# Altium PCB mppt.PcbDoc (part 3 of 3)
Units mil, origin at the board's own origin, x right, y up, seen from the top; angles counter-clockwise.
Board outline 6145 x 4875 mil, 4 copper layers (Top Layer, Layer 1, Layer 2, Bottom Layer), stack 23.756 mil thick; 257 components, 119 nets, 666 pads, 154 vias.
Unrouted connection lines stored in the file: 1.
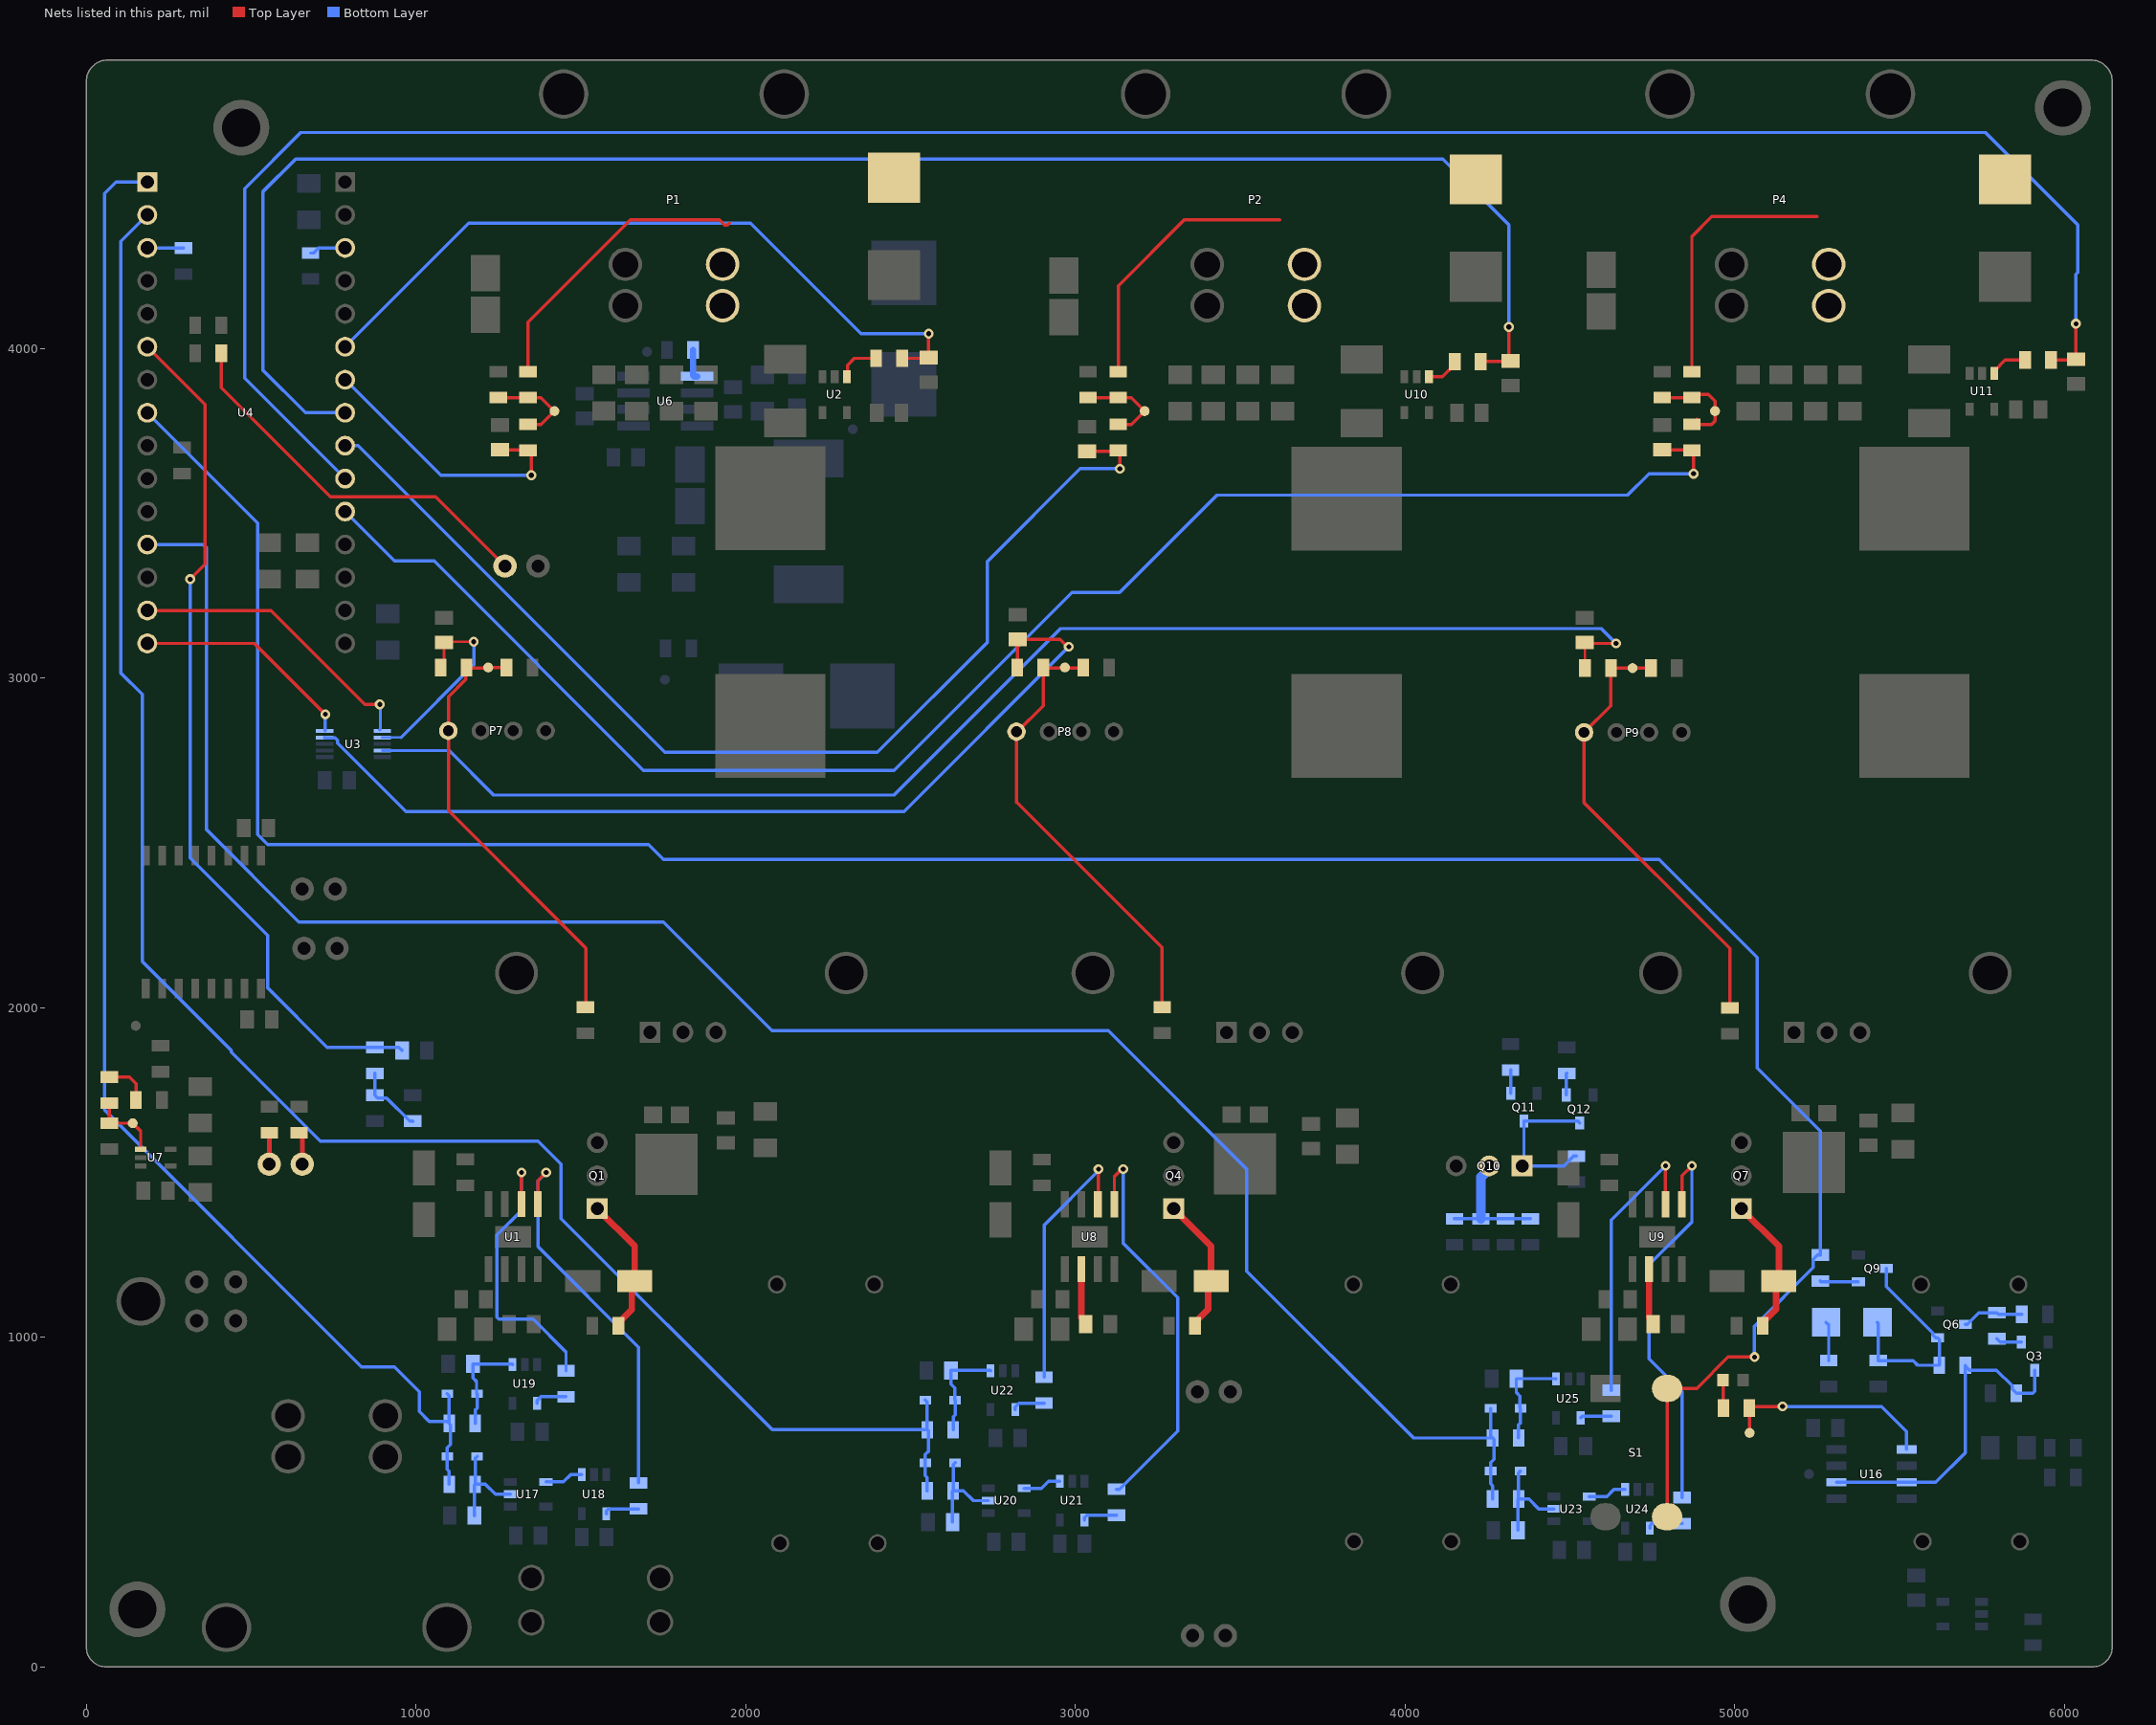
[diagram p5: the nets of this part, all layers, seen from the top]

## Via types
v1: diameter 30, hole 15, Top Layer to Bottom Layer, 154 vias

## Nets (pads, with @x,y where several pads share a name; then routed paths per layer and width w, separated by ;. In a path a pad name is that pad's centre, name@x,y a point inside that pad or via, vN(x,y) a via of type N, cw(c..) or ccw(c..) an arc to the next point about the centre after c; other vN are vias at no path point) (continued)
NetC37_1: C37.1 U8.2 | length 171.8
  Top Layer w20: U8.2@3018.19,1206.57 3018.19,1059.49 3030.79,1046.89 C37.1@3030.79,1040
NetC47_1: C47.1 U9.2 | length 171.8
  Top Layer w20: U9.2@4740,1206.57 4740,1059.49 4752.6,1046.89 C47.1@4752.6,1040
NetD14_1: D14.1 R27.1 | length 118.8
  Bottom Layer w10: D14.1@5277.24,1045 5285,1037.24 R27.1@5285,929.37
NetD14_2: D14.2 Q6.1 Q9.3 R35.1 R47.1 | length 672.7
  Bottom Layer w10: D14.2@5432.76,1045 5435,1042.76 R47.1@5435,929.37 5540.63,929.37 5555,915 R35.1@5620.63,915 5620.63,993.27 Q6.1@5615,998.9 5609.09,998.9 5600.31,1007.68 5600.31,1013.58 5459.65,1154.25 Q9.3@5459.65,1209.45
NetLED1_1: LED1.1 R48.1 | length 85.5
  Top Layer w10: LED1.1@4964.49,870 4965.63,868.86 R48.1@4965.63,785
NetP6_1: P6.1 R14.2 | length 99.8
  Top Layer w15: R14.2@645,1620.63 655,1610.63 P6.1@655,1525
NetP6_2: P6.2 R15.2 | length 95.6
  Top Layer w15: P6.2@555,1525 R15.2@555,1620.63
NetP7_1: P7.1 R38.1 R39.1 TH1.2 TP18.1 | length 1347
  Top Layer w10: R39.1@1153.37,3032 1151.28,3029.91 1151.28,2996.28 1098.16,2943.16 1098.16,2597.84 1514,2182 ; R39.1@1153.98,3030.2 TP18.1@1219.61,3030.2 ; TP18.1@1219,3032 R38.1@1274.63,3032 ; TH1.2@1514.61,1999.57 1514.61,2180.2
NetP8_1: P8.1 R41.1 R42.1 TH2.2 TP21.1 | length 1368.5
  Top Layer w10: 2821.32,2624.04 3263.16,2182.2 TH2.2@3263.16,2001.57 ; 2821.35,2621.84 2821.35,2835 2902.56,2916.21 ; 2902.53,2918.41 R42.1@2902.53,3032.2 ; R42.1@2902.56,3030 2968.19,3030 R41.1@3023.82,3030
NetP9_1: P9.1 R44.1 R45.1 TH3.2 TP24.1 | length 1368.5
  Top Layer w10: R44.1@4745.63,3030 TP24.1@4690,3030 R45.1@4624.37,3030 4624.37,2916.21 P9.1@4543.16,2835 4543.16,2621.84 4985,2180 TH3.2@4985,1999.37
NetP10_2: P10.2 R6.2 | length 1188.9
  Top Layer w10: R6.2@409.37,3985 409.37,3880.63 737.07,3552.93 740,3550 781.74,3550 cw(c785,3505) 788.26,3550 1060,3550 1062.93,3547.07 P10.2@1270,3340
NetQ3_1: Q3.1 R73.1 | length 78.3
  Bottom Layer w10: R73.1@5795,995.63 5805.63,985 Q3.1@5868.9,985
NetQ6_3: Q6.3 R20.1 R73.2 | length 187.3
  Bottom Layer w10: Q6.3@5699.65,1039.45 5705.55,1039.45 5740.47,1074.37 R73.2@5795,1074.37 5799.37,1070 R20.1@5870.63,1070
NetQ9_1: Q9.1 R49.2 | length 115.7
  Bottom Layer w10: R49.2@5260,1170.63 5261.73,1168.9 Q9.1@5375,1168.9
NetQ10_1: Q10.1 Q11.3 Q12.3 R70.1 | length 485.8
  Bottom Layer w10: R70.1@4520,1549.37 4511.14,1549.37 4481.77,1520 Q10.1@4355,1520 4360.55,1525.55 Q11.3@4360.55,1655.35 4524.45,1655.35 Q12.3@4529.45,1650.35
NetQ10_2: Q10.2 R66.1 R67.1 R68.1 R69.1 | length 401
  Bottom Layer w10: R66.1@4150,1359.37 R67.1@4230,1359.37 4238.86,1359.37 4251.57,1359.37 R68.1@4305,1359.37 R69.1@4380,1359.37
  Bottom Layer w30: R67.1@4230,1359.37 4230,1486.07 4255,1511.07 Q10.2@4255,1520
NetQ11_1: Q11.1 R71.1 | length 70.6
  Bottom Layer w10: Q11.1@4320,1740 R71.1@4320,1810.63
NetQ12_1: Q12.1 R72.1 | length 66.1
  Bottom Layer w10: Q12.1@4488.9,1735 4488.9,1799.53 R72.1@4490,1800.63
NetR11_1: R11.1 U4.4.3 | length 111.5
  Bottom Layer w10: R11.1@680,4289.37 688.86,4289.37 704.49,4305 U4.4.3@785,4305
NetR12_1: R12.1 U4.3.3 | length 110.3
  Bottom Layer w10: U4.3.3@185,4305 294.37,4305 R12.1@295,4304.37
NetR13_1: R13.1 R21.2 TP9.1 U7.1 | length 195.6
  Top Layer w10: R21.2@70,1649.37 R13.1@70,1710.63 ; R21.2@95,1649.37 TP9.1@140.63,1649.37 164.72,1625.28 U7.1@164.72,1570.59
NetR13_2: R13.2 R62.1 | length 138.3
  Top Layer w10: R13.2@70,1789.37 130.63,1789.37 150.63,1769.37 R62.1@150.63,1720
NetR18_2: R18.2 U6.5 | length 89.9
  Bottom Layer w20: R18.2@1840.32,3995 1840.32,3918.78 1844.1,3915 U6.5@1852.41,3915
NetR40_1: R40.1 U2.1 | length 130.9
  Top Layer w10: U2.1@2307.4,3914.13 2308.82,3915.55 2308.82,3948.82 2330,3970 R40.1@2395.63,3970
NetR43_1: R43.1 U10.1 | length 102.4
  Top Layer w10: U10.1@4072.4,3914.13 4113.62,3914.13 4150.63,3951.14 R43.1@4150.63,3960
NetR46_1: R46.1 U11.1 | length 114.8
  Top Layer w10: U11.1@5787.4,3924.13 5787.4,3932.01 5820.39,3965 R46.1@5880.63,3965
NetR50_1: R50.1 U18.4 | length 108.3
  Bottom Layer w10: U18.4@1577.4,464.69 1577.4,472.56 1584.21,479.37 R50.1@1675,479.37
NetR50_2: R50.2 U1.5 | length 1186
  Top Layer w10: U1.5@1369.61,1403.62 1369.8,1403.82 1369.8,1475.7 1394.1,1500 v1(1395,1500)
  Bottom Layer w10: v1(1395,1500) 1370,1475 1370,1275 1675,970 R50.2@1675,558.11
NetR52_1: R52.1 U19.4 | length 100.4
  Bottom Layer w10: U19.4@1367.4,799.69 1367.4,807.56 1379.21,819.37 R52.1@1455,819.37
NetR52_2: R52.2 U1.6 | length 877.5
  Top Layer w10: U1.6@1319.61,1403.62 1319.61,1499.61 v1(1320,1500)
  Bottom Layer w10: v1(1320,1500) 1320,1385 1245,1310 1245,1060.86 1250.86,1055 1355,1055 1455,955 R52.2@1455,898.11
NetR54_1: R54.1 U21.4 | length 108.3
  Bottom Layer w10: U21.4@3027.4,445.32 3027.4,453.19 3034.21,460 R54.1@3125,460
NetR54_2: R54.2 U8.5 | length 1241.5
  Top Layer w10: U8.5@3118.19,1403.43 3118.19,1487.31 3140.88,1510 v1(3145,1510)
  Bottom Layer w10: R54.2@3125,538.74 3133.86,538.74 3310,714.88 3310,1120 3145,1285 v1(3145,1510)
NetR56_1: R56.1 U22.4 | length 100.4
  Bottom Layer w10: U22.4@2817.4,780.32 2817.4,788.19 2829.21,800 R56.1@2905,800
NetR56_2: R56.2 U8.6 | length 806.9
  Top Layer w10: U8.6@3068.19,1403.43 3069.09,1404.33 3069.09,1509.09 v1(3070,1510)
  Bottom Layer w10: R56.2@2905,878.74 2905,1340 3070,1505 v1(3070,1510)
NetR58_1: R58.1 U24.4 | length 108.3
  Bottom Layer w10: U24.4@4742.4,420.32 4742.4,428.19 4749.21,435 R58.1@4840,435
NetR58_2: R58.2 U9.5 | length 1230.5
  Top Layer w10: U9.5@4840,1403.43 4840,1490 v1(4870,1520)
  Bottom Layer w10: R58.2@4840,513.74 4840,835 4740,935 4740,1220 4870,1350 v1(4870,1520)
NetR60_1: R60.1 U25.4 | length 94.8
  Bottom Layer w10: U25.4@4532.4,755.32 4537.72,760.63 R60.1@4625,760.63
NetR60_2: R60.2 U9.6 | length 865.5
  Top Layer w10: U9.6@4790,1403.43 v1(4790,1520)
  Bottom Layer w10: R60.2@4625,839.37 4625,1355 v1(4790,1520)
NetU17_4: U17.4 U18.1 | length 117.4
  Bottom Layer w10: U17.4@1394.13,561.14 1446.77,561.14 1468.43,582.8 U18.1@1502.6,582.8
NetU20_4: U20.4 U21.1 | length 117.4
  Bottom Layer w10: U20.4@2844.13,541.77 2896.77,541.77 2918.43,563.43 U21.1@2952.6,563.43
NetU23_4: U23.4 U24.1 | length 117.4
  Bottom Layer w10: U23.4@4559.13,516.77 4611.77,516.77 4633.43,538.43 U24.1@4667.6,538.43
OV_FAULT_TELEM: R48.2 TP2.1 U16.1 | length 639
  Top Layer w10: TP2.1@5045,710 5045,785.63 5049.37,790 v1(5145,790)
  Bottom Layer w10: v1(5145,790) 5445,790 5521.3,713.7 U16.1@5521.3,660
OV_FLT_RST: R49.1 S1.2 U4.3.8 | length 8194.9
  Top Layer w10: S1.2@4795,455.24 S1.2@4795,845 4884.69,845 4979.69,940 v1(5060,940)
  Bottom Layer w10: U4.3.8@185,3805 520,3470 520,2525 550,2495 1705,2495 1750,2450 4770,2450 5067.5,2152.5 5067.5,1817.5 5260,1625 R49.1@5260,1249.37 5251.14,1249.37 5238.43,1236.65 5238.43,1211.73 5060,1033.31 v1(5060,940)
OV_SIG: Q3.3 R35.2 R37.1 U16.3 U16.6 | length 1010.7
  Bottom Layer w10: U16.6@5308.7,560 U16.3@5521.3,560 5610,560 5699.37,649.37 R35.2@5699.37,915 ; R35.2@5699.37,913.07 5712.09,900.35 5794.17,900.35 5841.65,852.87 5841.65,842.72 R37.1@5854.37,830 5903.59,830 5909.45,835.86 Q3.3@5909.45,900.35
PWM_HIGH_PWM_COND1: C74.2 D15.2 R51.1 U17.2 | length 302.2
  Bottom Layer w10: C74.2@1177.4,458.74 1177.4,551.77 R51.1@1179.37,553.74 ; D15.2@1185.28,638.74 1179.37,632.83 R51.1@1179.37,553.74 ; U17.2@1285.87,523.74 1240.63,523.74 1210.63,553.74 R51.1@1179.37,553.74
PWM_HIGH_PWM_COND2: C79.2 D17.2 R55.1 U20.2 | length 302.2
  Bottom Layer w10: C79.2@2627.4,439.37 2627.4,532.4 R55.1@2629.37,534.37 ; D17.2@2635.28,619.37 2629.37,613.46 R55.1@2629.37,534.37 ; U20.2@2735.87,504.37 2690.63,504.37 2660.63,534.37 R55.1@2629.37,534.37
PWM_HIGH_PWM_COND3: C84.2 D19.2 R59.1 U23.2 | length 302.2
  Bottom Layer w10: C84.2@4342.4,414.37 4342.4,507.4 R59.1@4344.37,509.37 ; D19.2@4350.28,594.37 4344.37,588.46 R59.1@4344.37,509.37 ; U23.2@4450.87,479.37 4405.63,479.37 4375.63,509.37 R59.1@4344.37,509.37
PWM_LOW_PWM_COND1: C76.2 D16.1 R53.1 U19.1 | length 308.4
  Bottom Layer w10: R53.1@1179.37,738.74 1179.37,778.74 1185.28,784.65 D16.1@1185.28,828.74 1183.69,830.32 1183.69,865.68 1172.4,876.97 C76.2@1172.4,918.74 1291.65,918.74 U19.1@1292.6,917.8
PWM_LOW_PWM_COND2: C81.2 D18.1 R57.1 U22.1 | length 308.4
  Bottom Layer w10: R57.1@2629.37,719.37 2629.37,759.37 2635.28,765.28 D18.1@2635.28,809.37 2633.69,810.95 2633.69,846.31 2622.4,857.6 C81.2@2622.4,899.37 2741.65,899.37 U22.1@2742.6,898.43
PWM_LOW_PWM_COND3: C86.2 D20.1 R61.1 U25.1 | length 308.4
  Bottom Layer w10: R61.1@4344.37,694.37 4344.37,734.37 4350.28,740.28 D20.1@4350.28,784.37 4348.69,785.95 4348.69,821.31 4337.4,832.6 C86.2@4337.4,874.37 4456.65,874.37 U25.1@4457.6,873.43
STRING1_I_IN: C57.1 R40.2 U4.4.6 | length 2218.3
  Top Layer w10: R40.2@2474.37,3970 2552.6,3970 C57.1@2555,3972.4 v1(2555,4045)
  Bottom Layer w10: U4.4.6@785,4005 1160,4380 2015,4380 2350,4045 v1(2555,4045)
STRING1_PWM: D15.1 D16.2 R51.2 R53.2 U4.3.1 | length 4685.3
  Bottom Layer w10: U4.3.1@185,4505 90,4505 55,4470 55,1690 835.03,909.97 935.03,909.97 1010,835 1010,775 1040,745 1094.37,745 R53.2@1100.63,738.74 ; D16.2@1094.72,828.74 1100.63,822.83 R53.2@1100.63,738.74 ; R51.2@1100.63,553.74 1100.63,593.74 1094.72,599.65 D15.1@1094.72,638.74 1094.72,664.09 1105,674.37 1105,734.37 R53.2@1100.63,738.74
STRING1_THERM: C51.1 R39.2 U3.2 | length 609.6
  Top Layer w8: R39.2@1074.63,3032 1085,3042.37 C51.1@1085,3107.6 1087.4,3110 v1(1175,3110)
  Bottom Layer w8: U3.2@897.6,2819.53 954.53,2819.53
  Bottom Layer w10: 954.53,2819.53 1175,3040 v1(1175,3110)
STRING1_V_IN: C53.1 R2.2 U4.4.7 | length 837.7
  Top Layer w10: C53.1@1265,3692.6 1348.03,3692.6 R2.2@1350,3690.63 ; R2.2@1347.28,3680.63 1350,3677.91 v1(1350,3615)
  Bottom Layer w10: U4.4.7@785,3905 1075,3615 v1(1350,3615)
STRING2_I_IN: C67.1 R43.2 U4.4.8 | length 5254.4
  Top Layer w10: R43.2@4229.37,3960 4317.6,3960 C67.1@4320,3962.4 4315,3967.4 v1(4315,4065)
  Bottom Layer w10: U4.4.8@785,3805 665,3805 535,3935 535,4475 635,4575 4115,4575 4315,4375 v1(4315,4065)
STRING2_PWM: D17.1 D18.2 R55.2 R57.2 U4.3.2 | length 5679.7
  Bottom Layer w10: U4.3.2@185,4405 105,4325 105,3015 170,2950 170,2140 440,1870 440,1865 710,1595 1370,1595 1440,1525 1440,1360 2080.63,719.37 R57.2@2550.63,719.37 ; D18.2@2544.72,809.37 2550.63,803.46 R57.2@2550.63,719.37 ; R55.2@2550.63,534.37 2550.63,574.37 2544.72,580.28 D17.1@2544.72,619.37 2544.72,644.72 2555,655 2555,715 R57.2@2550.63,719.37
STRING2_THERM: C55.1 R42.2 U3.9 | length 2812.7
  Top Layer w10: R42.2@2823.79,3032.2 2823.79,3116.39 C55.1@2825,3117.6 2953.1,3117.6 2975.7,3095 v1(2980,3095)
  Bottom Layer w10: U3.9@722.4,2819.53 723.18,2818.75 754.36,2818.75 761.98,2811.13 761.98,2803.02 970,2595 2480,2595 v1(2980,3095)
STRING2_V_IN: C61.1 R23.2 U4.4.9 | length 3388.6
  Top Layer w10: C61.1@3035,3687.6 3126.97,3687.6 R23.2@3130,3690.63 3135,3685.63 v1(3135,3635)
  Bottom Layer w10: U4.4.9@785,3705 825,3705 1755,2775 2399.53,2775 2732.26,3107.74 2732.26,3352.26 3015,3635 v1(3135,3635)
STRING3_I_IN: C69.1 R46.2 U4.4.10 | length 7239
  Top Layer w10: R46.2@5959.37,3965 6032.6,3965 C69.1@6035,3967.4 v1(6035,4075)
  Bottom Layer w10: U4.4.10@785,3605 480,3910 480,4485 650,4655 5760,4655 6040,4375 6040,4230.21 6035,4225.21 v1(6035,4075)
STRING3_PWM: D19.1 D20.2 R59.2 R61.2 U4.3.12 | length 6171.8
  Bottom Layer w10: U4.3.12@185,3405 355,3405 365,3395 365,2540 645,2260 1750,2260 2080,1930 3100,1930 3520,1510 3520,1200 4025.63,694.37 R61.2@4265.63,694.37 ; D20.2@4259.72,784.37 4259.72,700.28 R61.2@4265.63,694.37 ; R59.2@4265.63,509.37 4265.63,549.37 4259.72,555.28 D19.1@4259.72,594.37 4259.72,619.72 4270,630 4270,690 R61.2@4265.63,694.37
STRING3_THERM: C59.1 R45.2 U3.4 | length 4199.2
  Top Layer w8: C59.1@4545,3107.6 C59.1@4545.63,3106.97 ; R45.2@4545.63,3030 C59.1@4545.63,3106.97 ; v1(4640,3105) 4547.6,3105 C59.1@4545.63,3106.97
  Bottom Layer w8: U3.4@897.6,2780.16 1099.84,2780.16
  Bottom Layer w10: 1099.84,2780.16 1235,2645 2450,2645 2955,3150 4595,3150 v1(4640,3105)
STRING3_V_IN: C68.1 R31.2 U4.4.11 | length 4951.1
  Top Layer w10: C68.1@4780,3692.6 4868.03,3692.6 R31.2@4870,3690.63 ; R31.2@4869.37,3690 4875,3684.37 v1(4875,3620)
  Bottom Layer w10: U4.4.11@785,3505 935,3355 1055,3355 1690,2720 2450,2720 2990,3260 3134.14,3260 3429.14,3555 4675,3555 4740,3620 v1(4875,3620)
STRING_POS_STRING1: L5.1 P1.1 R3.1 | length 898
  Top Layer w10: R3.1@1340,3929.37 1340,4080 1650,4390 1920,4390 1935.86,4374.14 1944.14,4374.14 1950,4380
STRING_POS_STRING2: L6.1 P2.1 R24.1 | length 833.5
  Top Layer w10: R24.1@3130,3929.37 3130,4190 3330,4390 3620,4390
STRING_POS_STRING3: L7.1 P4.1 R32.1 | length 815.5
  Top Layer w10: R32.1@4870,3929.37 4870,4340 4930,4400 5250,4400
SYNC_DRV_STRING1: D1.2 Q1.1 R5.2 | length 422.6
  Top Layer w20: Q1.1@1549.61,1390.2 1663.35,1276.46 D1.2@1663.35,1170.2 1654.61,1161.46 1654.61,1084.68 1613.98,1044.06 R5.2@1613.98,1035.2
SYNC_DRV_STRING2: D7.2 Q4.1 R26.2 | length 422.6
  Top Layer w20: Q4.1@3298.19,1390 3411.93,1276.26 D7.2@3411.93,1170 3403.19,1161.26 3403.19,1084.49 3362.56,1043.86 R26.2@3362.56,1035
SYNC_DRV_STRING3: D9.2 Q7.1 R34.2 | length 422.6
  Top Layer w20: Q7.1@5020,1390 5133.74,1276.26 D9.2@5133.74,1170 5125,1161.26 5125,1084.49 5084.37,1043.86 R34.2@5084.37,1035
THERM_MUX_SEL0: U3.1 U4.3.14 | length 902.1
  Top Layer w10: U4.3.14@185,3205 560,3205 845,2920 v1(890,2920)
  Bottom Layer w10: U3.1@889.91,2842.67 891.97,2844.74 891.97,2918.03 v1(890,2920)
THERM_MUX_SEL1: U3.10 U4.3.15 | length 679.2
  Top Layer w10: U4.3.15@185,3105 510,3105 v1(725,2890)
  Bottom Layer w10: U3.10@724.4,2840.12 724.4,2889.4 v1(725,2890)
VIN_DIV_STRING1: R2.1 R3.2 R4.1 TP1.1 | length 283.7
  Top Layer w10: R4.1@1250,3850.63 R3.2@1340,3850.63 1379.37,3850.63 TP1.1@1420,3810 1379.37,3769.37 R2.1@1340,3769.37
VIN_DIV_STRING2: R23.1 R24.2 R25.1 TP10.1 | length 285.5
  Top Layer w10: R25.1@3038.19,3850.63 R24.2@3130,3850.63 3169.37,3850.63 TP10.1@3210,3810 3169.37,3769.37 R23.1@3130,3769.37
VIN_DIV_STRING3: R31.1 R32.2 R33.1 TP13.1 | length 327.8
  Top Layer w10: R33.1@4780,3850.63 R32.2@4870,3850.63 4879.37,3860 4920,3860 4940,3840 TP13.1@4940,3810 4940,3780 4929.37,3769.37 R31.1@4870,3769.37 R31.1@4885,3784.37
VOUT_TELEM: C19.1 R64.2 U4.3.6 | length 2619.8
  Top Layer w10: U4.3.6@185,4005 360,3830 360,3345 v1(315,3300)
  Bottom Layer w10: v1(315,3300) 315,2453.68 550,2218.68 550,2060 730.63,1879.37 948.23,1879.37 C19.1@957.6,1870
VOUT_VDIV: R8.1 R9.2 R64.1 | length 214.8
  Bottom Layer w10: R64.1@875,1800.63 R8.1@875,1734.37 883.32,1726.05 910.72,1726.05 981.14,1655.63 R9.2@990,1655.63 R9.2@990.63,1655
pads on no net: MH1.2 MH2.2 MH3.2 MH4.2 P1. P2. P3. P4. P5.5 U3.7 U4.3.10 U4.3.11 U4.4.4 U4.4.5 U4.4.15 U5.4 U5.5 U5.11 U5.14 U7.3 U17.1 U20.1 U23.1

## Polygon pours and split planes (outlines as drawn)
HV_GND on Top Layer "HV_GND_L01_P202" (solid, pour order 202): 3005.13,1368.27 3005.13,1363.27 2995.13,1353.27 2965.13,1323.27 2930.13,1323.27 2895.13,1288.27 2895.13,1278.27 2805.13,1188.27 2724.74,1107.88 2724.74,1078.47 2915.33,1078.47 2930.13,1093.27 2930.13,1240.13 2960,1270 3100.13,1270 3100.13,1328.27 3085.13,1343.27 3050.13,1343.27 3030.13,1368.27
HV_GND on Top Layer "HV_GND_L01_P214" (solid, pour order 214): 5382.05,1996.48 5342.05,1956.48 5342.05,1802.95 5367.44,1777.56 5367.44,1651.28 5580.31,1651.28 5747.05,1345.11 5747.05,391.68 5832.44,306.28 5987.05,306.28 5987.05,1521.48 5537.05,1971.48 5512.05,1996.48 5482.05,1996.48
NetC21_1 on Top Layer "Top Layer-NetC21_1" (solid, pour order 228): 2674.92,4582.27 2674.92,3787.27 2694.92,3767.27 2799.92,3767.27 2824.92,3792.27 2824.92,4112.27 2904.92,4192.27 3004.92,4192.27 3029.92,4217.27 3029.92,4521.45 3113.33,4625 4476.89,4625 4521.43,4581.51 4524.77,4242.41 4540.05,4227.15 4633.99,4226.39 4649.92,4242.19 4649.92,4827.27 4627.2,4850 1192.73,4850 1107.28,4764.55 1107.28,4524.55 919.92,4334.9 919.92,4227.27 944.92,4202.27 1254.92,4202.27 1284.92,4232.27 1284.92,4423.51 1497.2,4644.55 2612.65,4644.55
I_SC_IN_POS_STRING3 on Top Layer "I_SC_IN_POS_STRING3_L01_P220" (solid, pour order 220): 5925,4320 5670,4320 5555,4205 5345,3995 4975,3995 4965,3985 4965,3870 4975,3860 5395,3860 5400,3855 5575,3855 5695,3975 5695,4055 5770,4130 6020,4130 6065,4175 6065,4290 6040,4320
I_SC_IN_POS_STRING2 on Top Layer "I_SC_IN_POS_STRING2_L01_P219" (solid, pour order 219): 4210,4330 3955,4330 3840,4215 3840,4095 3750,4005 3260,4005 3250,3995 3250,3880 3260,3870 3680,3870 3685,3865 3859.99,3865 3935,3940.01 3935,4020 4055,4140 4305,4140 4350,4185 4350,4300 4325,4330
I_SC_IN_POS_STRING1 on Top Layer "I_SC_IN_POS_STRING1_L01_P218" (solid, pour order 218): 2450,4330 2195,4330 2080,4215 2080,4070 2055,4045 1540,4045 1490,3995 1490,3880 1500,3870 1920,3870 1925,3865 2115,3865 2200,3950 2200,4045 2295,4140 2545,4140 2590,4185 2590,4300 2565,4330
STRING_POS_STRING3 on Top Layer "STRING_POS_STRING3_L01_P217" (solid, pour order 217): 5185.34,4065 5347.72,4065 5391.91,4109.19 5391.91,4269.19 5550.34,4427.62 6000.34,4427.62 6010.34,4427.62 6010.34,4524.66 5842.38,4692.62 5212.62,4692.62 5140.34,4620.34 5140.34,4287.62 5140.34,4110
STRING_POS_STRING2 on Top Layer "STRING_POS_STRING2_L01_P216" (solid, pour order 216): 3590.34,4062.62 3770.34,4062.62 3796.91,4089.19 3796.91,4249.19 3955.34,4407.62 4405.34,4407.62 4410.34,4402.62 4415.34,4407.62 4415.34,4547.62 4362.97,4600 3600,4600 3545.34,4545.34 3545.34,4267.62 3545.34,4112.62 3590.34,4067.62
STRING_POS_STRING1 on Top Layer "STRING_POS_STRING1_L01_P215" (solid, pour order 215): 1820,4070 2000,4070 2026.57,4096.57 2026.57,4256.57 2185,4415 2635,4415 2640,4410 2645,4415 2645,4555 2580,4620 1820,4620 1775,4575 1775,4275 1775,4120 1820,4075
BOOST_STRING2 on Top Layer "BOOST_STRING2_L01_P172" (solid, pour order 172): 3608.19,2970 3608.19,2150 3513.19,2055 3513.19,1870 3243.19,1605 3243.19,1565 3273.19,1535 3338.19,1535 3448.19,1645 3590,1645 3600.05,1654.95 3603.19,1950 3718.19,2085 3868.19,2230 3868.19,2565 4048.19,2745 4048.19,3025 3663.19,3025
HV_GND on Top Layer "HV_GND_L01_P213" (solid, pour order 213): 3662.05,1991.48 3622.05,1951.48 3622.05,1797.95 3647.44,1772.56 3647.44,1652.56 3670,1630 3869.18,1630 4027.05,1340.11 4027.05,386.68 4112.44,301.28 4267.05,301.28 4267.05,1516.48 3817.05,1966.48 3792.05,1991.48 3762.05,1991.48
BOOST_OUT_STRING1 on Top Layer "Top Layer-BOOST_OUT_STRING1" (solid, pour order 212): 1499.61,1480.2 1539.61,1440.2 1594.61,1440.2 1779.61,1255.2 1779.61,672.59 1625,533.48 1625,135 1750,10 5630,10 5720,100 5720,184.19 5721.09,185.28 5721.09,1195.28 5576.48,1339.88 5576.48,1605.08 5571.48,1610.08 5336.09,1610.08 5331.28,1610.08 5321.48,1615.08 5321.66,1610.08 5251.09,1610.08 5251.09,1560.28 5221.09,1525.28 4981.09,1525.28 4971.09,1515.28 4971.09,1480.28 5011.09,1440.28 5066.09,1440.28 5221.09,1285.28 5221.09,758.91 5135,680 4735,280 4049.29,280 4006.09,336.61 4006.09,1200.28 3861.48,1344.88 3861.48,1610.08 3856.48,1615.08 3621.09,1615.08 3616.28,1615.08 3606.48,1620.08 3606.66,1615.08 3536.09,1615.08 3536.09,1565.28 3506.09,1530.28 3266.09,1530.28 3256.09,1520.28 3256.09,1485.28 3296.09,1445.28 3351.09,1445.28 3536.09,1260.28 3536.09,774.98 3072.8,255 2295,255 2249.61,300.39 2249.61,1195.2 2105,1339.8 2105,1605 2100,1610 1864.61,1610 1859.8,1610 1850,1615 1850.18,1610 1779.61,1610 1779.61,1560.2 1749.61,1525.2 1509.61,1525.2 1499.61,1515.2
HV_GND on Top Layer "HV_GND_L01_P188" (solid, pour order 188): 1919.61,1980.2 1879.61,1940.2 1879.61,1770.2 1905,1744.8 1905,1635 2117.87,1635 2284.61,1328.82 2284.61,375.39 2370,290 2524.61,290 2524.61,1505.2 2074.61,1955.2 2049.61,1980.2 2019.61,1980.2
NetC28_2 on Top Layer "NETC28_2_L01_P205" (solid, pour order 205): 185,1835 185,1825 185,1585 225,1545 280,1545 300,1525 300,1500 310,1490 400,1490 425,1515 425,1650 375,1700 300,1700 280,1720 280,1810 245,1845 195,1845
HV_GND on Top Layer "HV_GND_L01_P203" (solid, pour order 203): 4725.13,1373.27 4725.13,1368.27 4715.13,1358.27 4685.13,1328.27 4650.13,1328.27 4615.13,1293.27 4615.13,1283.27 4525.13,1193.27 4444.74,1112.88 4444.74,1083.47 4635.33,1083.47 4650.13,1098.27 4650.13,1245.13 4675,1270 4820.13,1270 4820.13,1333.27 4805.13,1348.27 4770.13,1348.27 4750.13,1373.27
HV_GND on Top Layer "HV_GND_L01_P201" (solid, pour order 201): 1260,1375 1245,1360 1215,1330 1180,1330 1145,1295 1145,1285 1055,1195 974.61,1114.61 974.61,1085.2 1165.2,1085.2 1180,1100 1180,1240 1210,1270 1350,1270 1350,1335 1335,1350 1293,1350 1273,1375
HV_GND on Top Layer "HV_GND_L01_P169" (solid, pour order 169): 3288.19,3850 3263.19,3825 3263.19,3685 3308.19,3640 3523.19,3640 3673.19,3790 3673.19,3850
BATT_TELEM_OUT on Top Layer "BATT_TELEM_OUT_L01_P193" (solid, pour order 193): 1339,830 830,830 790,790 790,90 860,20 1425,20 1425,736.52
HV_GND on Top Layer "HV_GND_L01_P170" (solid, pour order 170): 1539.61,3850.2 1514.61,3825.2 1514.61,3685.2 1559.61,3640.2 1774.61,3640.2 1924.61,3790.2 1924.61,3850.2
BOOST_STRING1 on Top Layer "BOOST_STRING1_L01_P173" (solid, pour order 173): 1859.61,2970.2 1859.61,2150.2 1764.61,2055.2 1764.61,1870.2 1494.61,1605.2 1494.61,1565.2 1524.61,1535.2 1589.61,1535.2 1694.53,1640.12 1829.93,1639.93 1855,1665 1854.61,1950.2 1969.61,2085.2 2119.61,2230.2 2119.61,2565.2 2299.61,2745.2 2299.61,3025.2 1914.61,3025.2
DH_STRING1 on Top Layer "DH_STRING1_L01_P185" (solid, pour order 185): 1564.61,1205.2 1554.61,1215.2 ccw(c1542.54,1203.13) 1542.54,1220.2 1444.61,1220.2 1409.61,1185.2 1409.61,1040.2 1444.61,1005.2 1554.61,1005.2 1564.61,1015.2
DL_STRING1 on Top Layer "DL_STRING1_L01_P179" (solid, pour order 179): 1119.61,1295.2 1169.61,1340.2 1189.61,1360.2 1229.61,1360.2 1239.61,1370.2 1239.61,1445.2 1199.61,1485.2 1099.61,1485.2 1034.61,1420.2 994.61,1420.2 974.61,1400.2 974.61,1310.2 989.61,1295.2
HV_GND on Top Layer "HV_GND_L01_P182" (solid, pour order 182): 1164.61,1150.2 1039.61,1150.2 974.61,1085.2 974.61,990.2 999.61,965.2 1129.61,965.2 1149.61,985.2 1149.61,1065.2 1164.61,1080.2 1164.61,1145.2
DH_STRING2 on Top Layer "DH_STRING2_L01_P184" (solid, pour order 184): 3313.19,1205 3303.19,1215 ccw(c3291.12,1202.93) 3291.12,1220 3193.19,1220 3158.19,1185 3158.19,1040 3193.19,1005 3303.19,1005 3313.19,1015
DL_STRING2 on Top Layer "DL_STRING2_L01_P178" (solid, pour order 178): 2868.19,1295 2918.19,1340 2938.19,1360 2978.19,1360 2988.19,1370 2988.19,1445 2948.19,1485 2848.19,1485 2783.19,1420 2743.19,1420 2723.19,1400 2723.19,1310 2738.19,1295
HV_GND on Top Layer "HV_GND_L01_P181" (solid, pour order 181): 2913.19,1150 2788.19,1150 2723.19,1085 2723.19,990 2748.19,965 2878.19,965 2898.19,985 2898.19,1065 2913.19,1080 2913.19,1145
HV_GND on Top Layer "HV_GND_L01_P180" (solid, pour order 180): 4635,1150 4510,1150 4445,1085 4445,990 4470,965 4600,965 4620,985 4620,1065 4635,1080 4635,1145
DL_STRING3 on Top Layer "DL_STRING3_L01_P177" (solid, pour order 177): 4590,1295 4640,1340 4660,1360 4700,1360 4710,1370 4710,1445 4670,1485 4570,1485 4505,1420 4465,1420 4445,1400 4445,1310 4460,1295
DH_STRING3 on Top Layer "DH_STRING3_L01_P183" (solid, pour order 183): 5035,1205 5025,1215 ccw(c5012.93,1202.93) 5012.93,1220 4915,1220 4880,1185 4880,1040 4915,1005 5025,1005 5035,1015
BOOST_STRING3 on Top Layer "BOOST_STRING3_L01_P171" (solid, pour order 171): 5330,2970 5330,2150 5235,2055 5235,1870 4965,1605 4965,1565 4995,1535 5060,1535 5170,1645 5309.91,1645 5319.82,1654.74 5325,1950 5440,2085 5590,2230 5590,2565 5770,2745 5770,3025 5385,3025
HV_GND on Top Layer "HV_GND_L01_P168" (solid, pour order 168): 5010,3850 4985,3825 4985,3685 5030,3640 5245,3640 5395,3790 5395,3850
HV_12P0V on Bottom Layer "HV_12P0V_L04_P227" (solid, pour order 227): 1780,3180 1735,3225 1585,3225 1580,3220 1580,3110 1655,3035 1770,3035 1780,3045
NetC21_1 on Bottom Layer "NETC21_1_L04_P226" (solid, pour order 226): 2555,3985 2595,3945 2765,3945 2790,3920 2790,3805 2750,3765 2580,3765 2515,3830 2515,3955
NetC23_1 on Bottom Layer "NETC23_1_L04_P223" (solid, pour order 223): 2190,3365 2310,3365 2310,3360 2335,3335 2335,3190 2330,3190 2145,3005 2145,2880 2075,2810 1875,2810 1800,2885 1800,3230 1780,3250 1610,3250 1600,3240 1580,3260 1580,3330 1590,3340 1925,3340 1945,3360 1950,3360
HV_GND on Bottom Layer "HV_GND_L04_P222" (solid, pour order 222): 1880,3580 1890,3570 1890,3405 1840,3355 1610,3355 1590,3375 1590,3415 1655,3480 1730,3480 1765,3515 1765,3560 1785,3580
NetC20_2 on Bottom Layer "NETC20_2_L04_P221" (solid, pour order 221): 2300,3745 2315,3730 2315,3615 2295,3595 1685,3595 1650,3630 1650,3700 1810,3785 1905,3785 1945,3745 2045,3745
HV_3P3V on Layer 2 (split plane): 65,4854.9 6079.99,4854.9 6080,4854.9 6080.56,4854.96 6085.87,4854.61 6091.65,4853.46 6097.22,4851.57 6102.5,4848.97 6107.39,4845.7 6111.82,4841.82 6115.7,4837.39 6118.97,4832.5 6121.57,4827.22 6123.46,4821.65 6124.61,4815.87 6124.96,4810.57 6124.9,4810 6124.9,60 6124.95,59.5 6124.64,54.78 6123.62,49.65 6121.94,44.7 6119.63,40.01 6116.72,35.66 6113.27,31.73 6109.34,28.28 6104.99,25.37 6100.3,23.06 6095.35,21.38 6090.22,20.36 6085.5,20.05 6085,20.1 60,20.1 59.5,20.05 54.78,20.36 49.65,21.38 44.7,23.06 40.01,25.37 35.66,28.28 31.73,31.73 28.28,35.66 25.37,40.01 23.06,44.7 21.38,49.65 20.36,54.78 20.05,59.5 20.1,60 20.1,894.9 480,894.9 481.95,895.29 483.6,896.4 513.6,926.4 514.71,928.05 515.1,930 515.1,1320 514.71,1321.95 513.6,1323.6 308.6,1528.6 306.95,1529.71 305,1530.1 20.1,1530.1 20.1,1754.9 510,1754.9 511.95,1755.29 513.6,1756.4 633.6,1876.4 634.71,1878.05 635.1,1880 635.1,2015 634.71,2016.95 633.6,2018.6 518.6,2133.6 516.95,2134.71 515,2135.1 20.1,2135.1 20.1,4810 20.04,4810.57 20.39,4815.88 21.54,4821.65 23.43,4827.22 26.03,4832.5 29.3,4837.39 33.18,4841.82 37.61,4845.7 42.5,4848.97 47.78,4851.57 53.35,4853.46 59.12,4854.61 64.43,4854.96
LV_12P0V on Layer 2 (split plane): 504.9,1317.89 504.9,932.11 477.89,905.1 20.1,905.1 20.1,1519.9 302.89,1519.9
HV_12P0V on Layer 2 (split plane): 931.4,4556.4 936.4,4551.4 936.4,4551.39 1019.9,4467.89 1019.9,4165 1020.29,4163.05 1021.4,4161.4 1191.4,3991.4 1193.05,3990.29 1195,3989.9 1622.89,3989.9 1819.9,3792.89 1819.9,3057.11 1802.89,3040.1 1652.11,3040.1 1473.6,3218.6 1471.95,3219.71 1470,3220.1 1195,3220.1 1193.05,3219.71 1191.4,3218.6 1121.4,3148.61 1121.4,3148.6 1021.4,3048.6 1020.29,3046.95 1019.9,3045 1019.9,1445 1020.29,1443.05 1021.4,1441.4 1151.4,1311.4 1316.4,1146.4 1318.05,1145.29 1320,1144.9 4602.89,1144.9 4764.9,982.89 4764.9,747.11 4597.89,580.1 1247.11,580.1 1008.6,818.6 870.1,957.11 870.1,3140 870.1,3225 870.1,4310 869.71,4311.95 868.6,4313.6 828.6,4353.6 826.95,4354.71 825,4355.1 722.11,4355.1 680.1,4397.11 680.1,4537.89 722.11,4579.9 907.89,4579.9
LV_5P0V on Layer 2 (split plane): 624.9,2012.89 624.9,1882.11 507.89,1765.1 20.1,1765.1 20.1,2124.9 512.89,2124.9
HV_GND on Layer 1 (split plane): 65,4854.9 6079.99,4854.9 6080,4854.9 6080.56,4854.96 6085.87,4854.61 6091.65,4853.46 6097.22,4851.57 6102.5,4848.97 6107.39,4845.7 6111.82,4841.82 6115.7,4837.39 6118.97,4832.5 6121.57,4827.22 6123.46,4821.65 6124.61,4815.87 6124.96,4810.57 6124.9,4810 6124.9,60 6124.95,59.5 6124.64,54.78 6123.62,49.65 6121.94,44.7 6119.63,40.01 6116.72,35.66 6113.27,31.73 6109.34,28.28 6104.99,25.37 6100.3,23.06 6095.35,21.38 6090.22,20.36 6085.5,20.05 6085,20.1 60,20.1 59.5,20.05 54.78,20.36 49.65,21.38 44.7,23.06 40.01,25.37 35.66,28.28 31.73,31.73 28.28,35.66 25.37,40.01 23.06,44.7 21.38,49.65 20.36,54.78 20.05,59.5 20.1,60 20.1,894.9 480,894.9 481.95,895.29 483.6,896.4 513.6,926.4 514.71,928.05 515.1,930 515.1,1320 515.1,1752.89 638.6,1876.4 639.71,1878.05 640.1,1880 640.1,2015 639.71,2016.95 638.6,2018.6 523.6,2133.6 521.95,2134.71 520,2135.1 20.1,2135.1 20.1,4810 20.04,4810.57 20.39,4815.88 21.54,4821.65 23.43,4827.22 26.03,4832.5 29.3,4837.39 33.18,4841.82 37.61,4845.7 42.5,4848.97 47.78,4851.57 53.35,4853.46 59.12,4854.61 64.43,4854.96
LV_GND on Layer 1 (split plane): 629.9,2012.89 629.9,1882.11 506.4,1758.6 505.29,1756.95 504.9,1755 504.9,1320 504.9,932.11 477.89,905.1 20.1,905.1 20.1,2124.9 517.89,2124.9

## Keep-outs
Keep-Out Layer:
  lines w10: 0,0 6145,0 6145,4875 0,4875 0,0

## Other copper
Layer 1 (plane layer: these items are gaps in the copper):
  lines w10: 0,2130 520,2130 635,2015 635,1880 510,1755 510,1320 510,930 480,900 5,900
Layer 2 (plane layer: these items are gaps in the copper):
  lines w10: -5,1525 305,1525 510,1320 510,930 480,900 0,900 ; 0,2130 515,2130 630,2015 630,1880 510,1760 5,1760 ; 935,4560 940,4555 1025,4470 1025,4165 1195,3995 1625,3995 1825,3795 1825,3055 1805,3035 1650,3035 1470,3215 1195,3215 1125,3145 1025,3045 1025,1445 1155,1315 1320,1150 4505,1150 4605,1150 4770,985 4770,745 4600,575 1245,575 1005,815 865,955 865,3140 865,3225 865,4310 825,4350 720,4350 675,4395 675,4540 720,4585 910,4585 937.5,4557.5

## Silkscreen, mask and mechanical layers (free items; w line width, h text height)
Top Overlay:
  drawing of 228 lines, arcs and shapes, not listed
  text "STRING 1" at 2240,4775.74 h80
  text "STRING 2" at 4005,4770.74 h80
  text "STRING 3" at 5595,4770.74 h80
  text "-" at 4855,4181.89 h120
  text "+" at 5375,4177.56 h120
  text "-" at 3250,4176.89 h120
  text "+" at 3800,4167.56 h120
  text "-" at 1420,4166.89 h120
  text "+" at 2070,4142.56 h120
  text "MCU_BOOST_EN" at 1050,3410 h60
  text "CAN RX" at 610,2435.67 h60
  text "CAN TX" at 610,2250.67 h60
  text "-" at 3275,853.11 h120 r180
  text "-" at 395,681.89 h120
  text "OV_FAULT" at 4905,638.36 h80
  text "mppt.PcbDoc" at 30,490.66 h60
  text "Rev. 2" at 30,445.56 h60
  text "S. Riggleman" at 30,390.88 h60
  text "OV_FAULT_RESET" at 4455,263.36 h80
  text "+" at 3587.44,70 h120 r90
Bottom Overlay:
  text "+" at 1745,651.93 h120
Mechanical 4:
  lines w10: 0,0 0,4875 6145,4875 6145,0 0,0

## Dimensions
6145,4875 to 6145,0 on Top Courtyard
0,4875 to 6145,4875 on Top Courtyard

## Text inside footprints (layer, text, board x,y; h text height)
U4: Top Overlay "USB" at 420,4805 h60